# Altium PCB Measure.PcbDoc
Units mil, origin at the board's own origin, x right, y up, seen from the top; angles counter-clockwise.
Board outline 1570 x 1225 mil, 2 copper layers (Top Layer, Bottom Layer), stack 20.956 mil thick; 68 components, 57 nets, 302 pads, 107 vias.
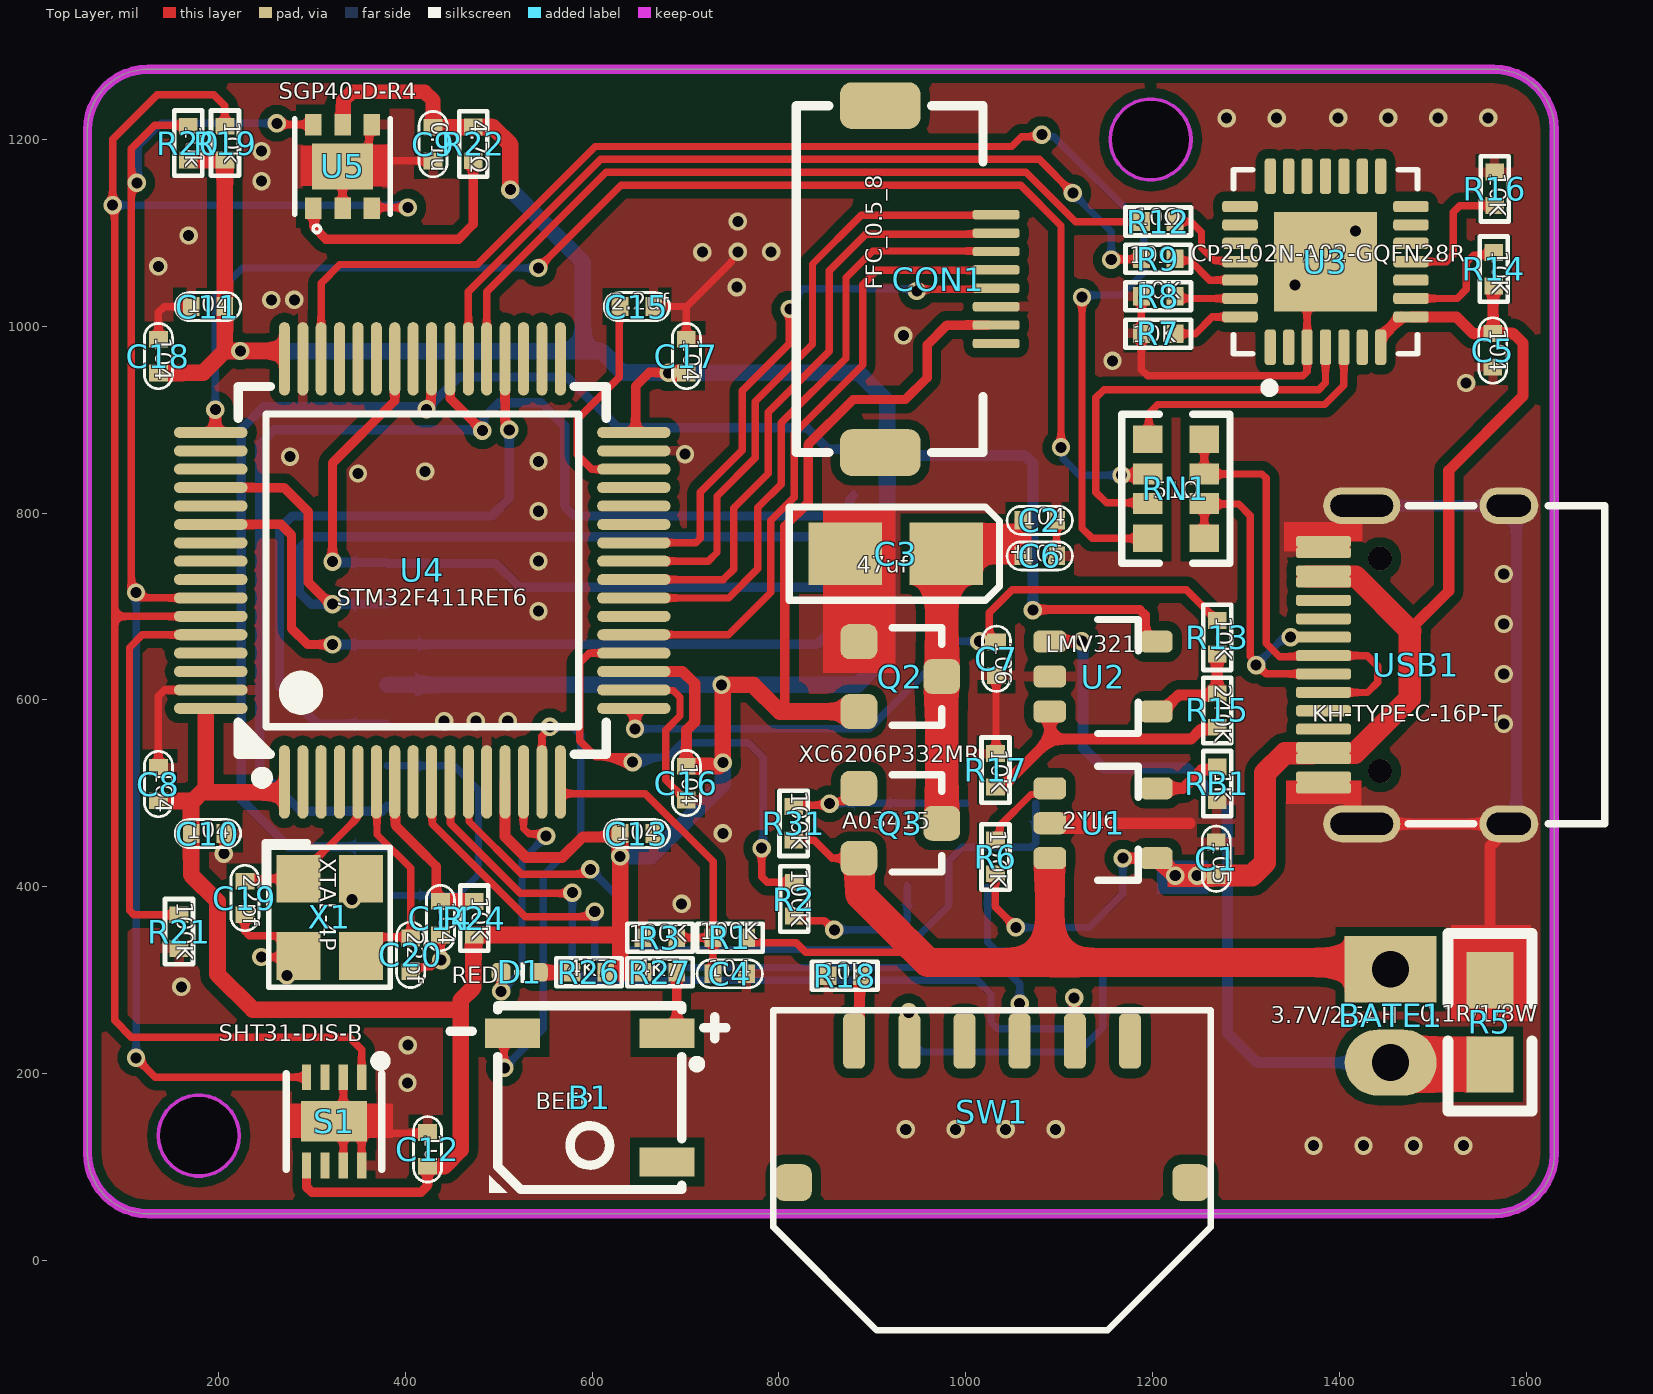
[diagram p0: Top Layer view]
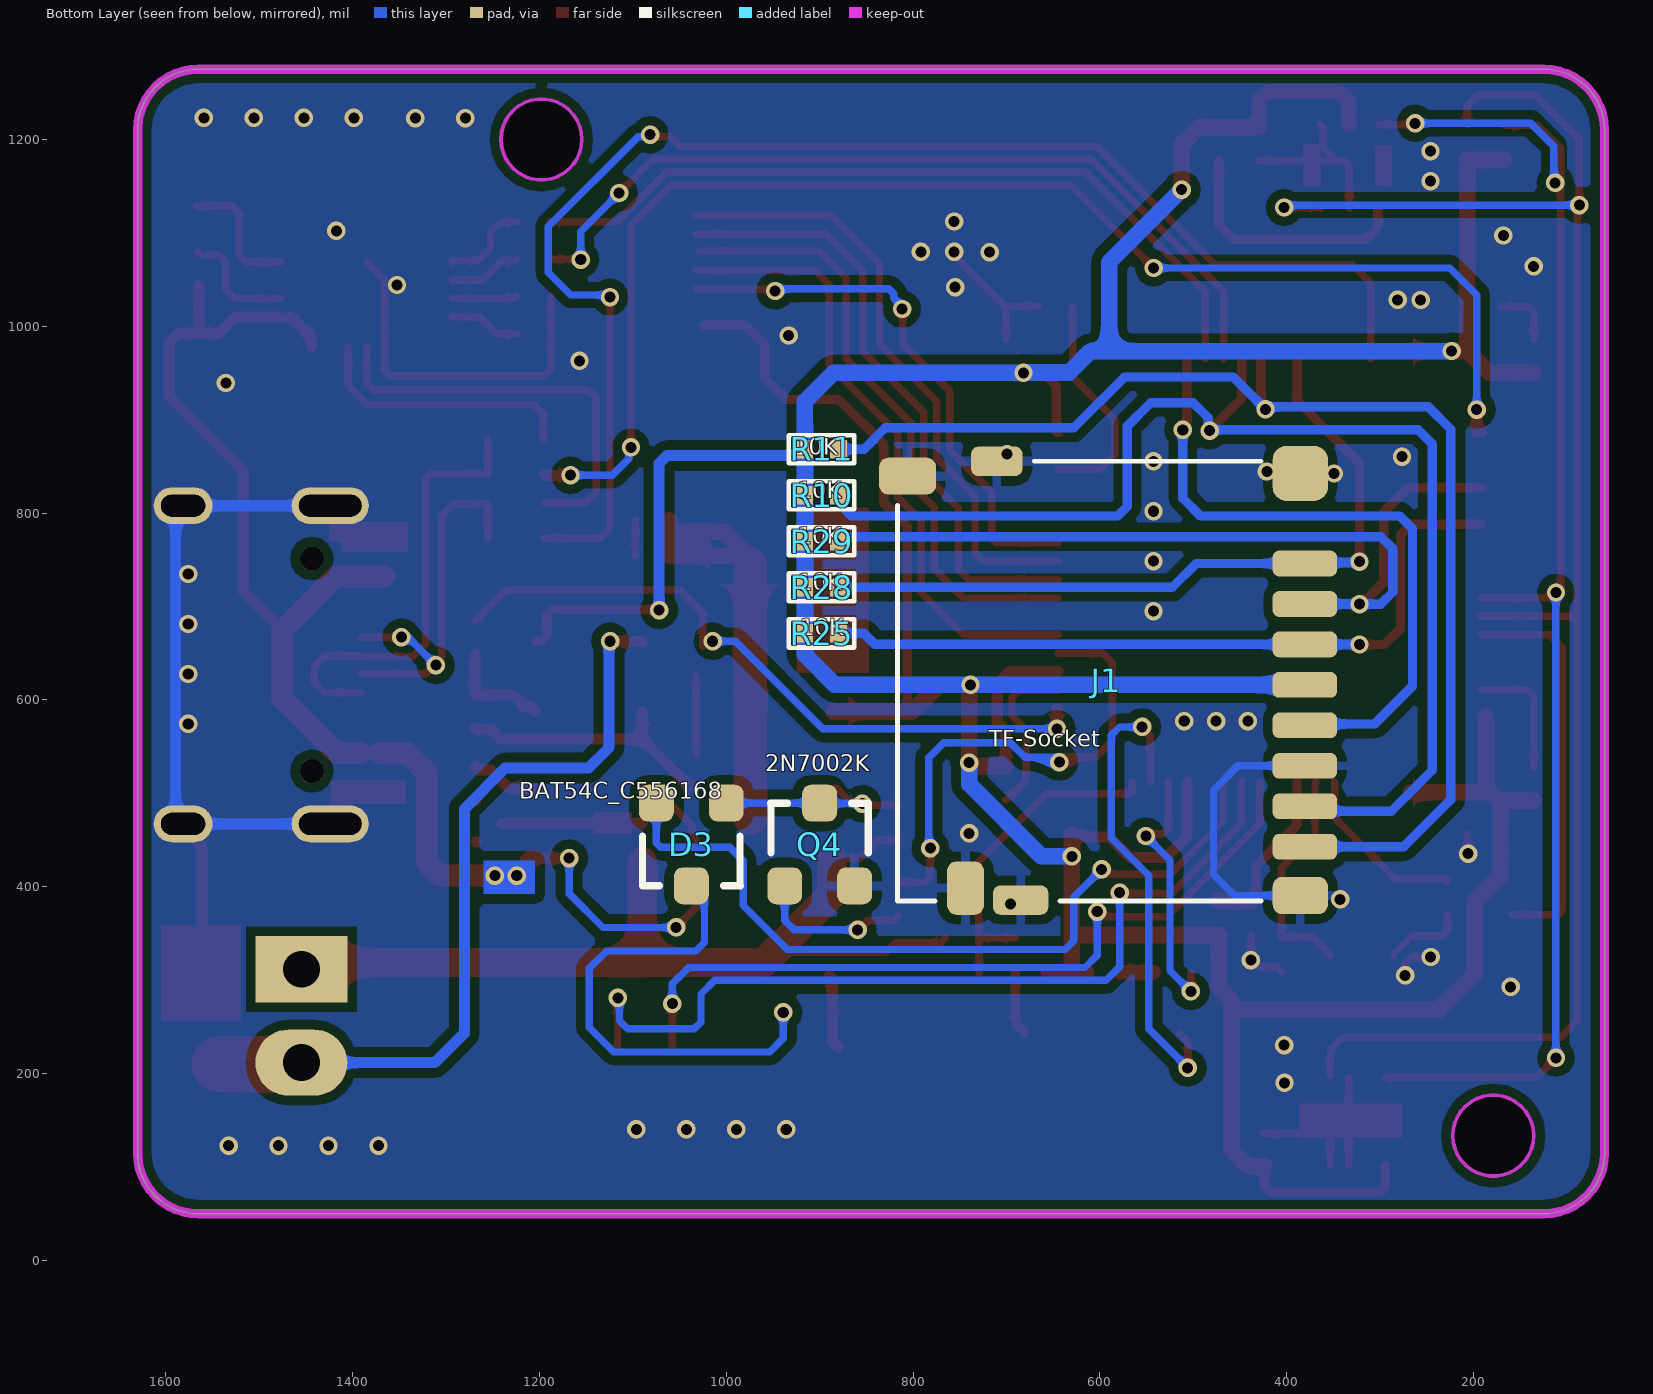
[diagram p1: Bottom Layer view, seen from below]
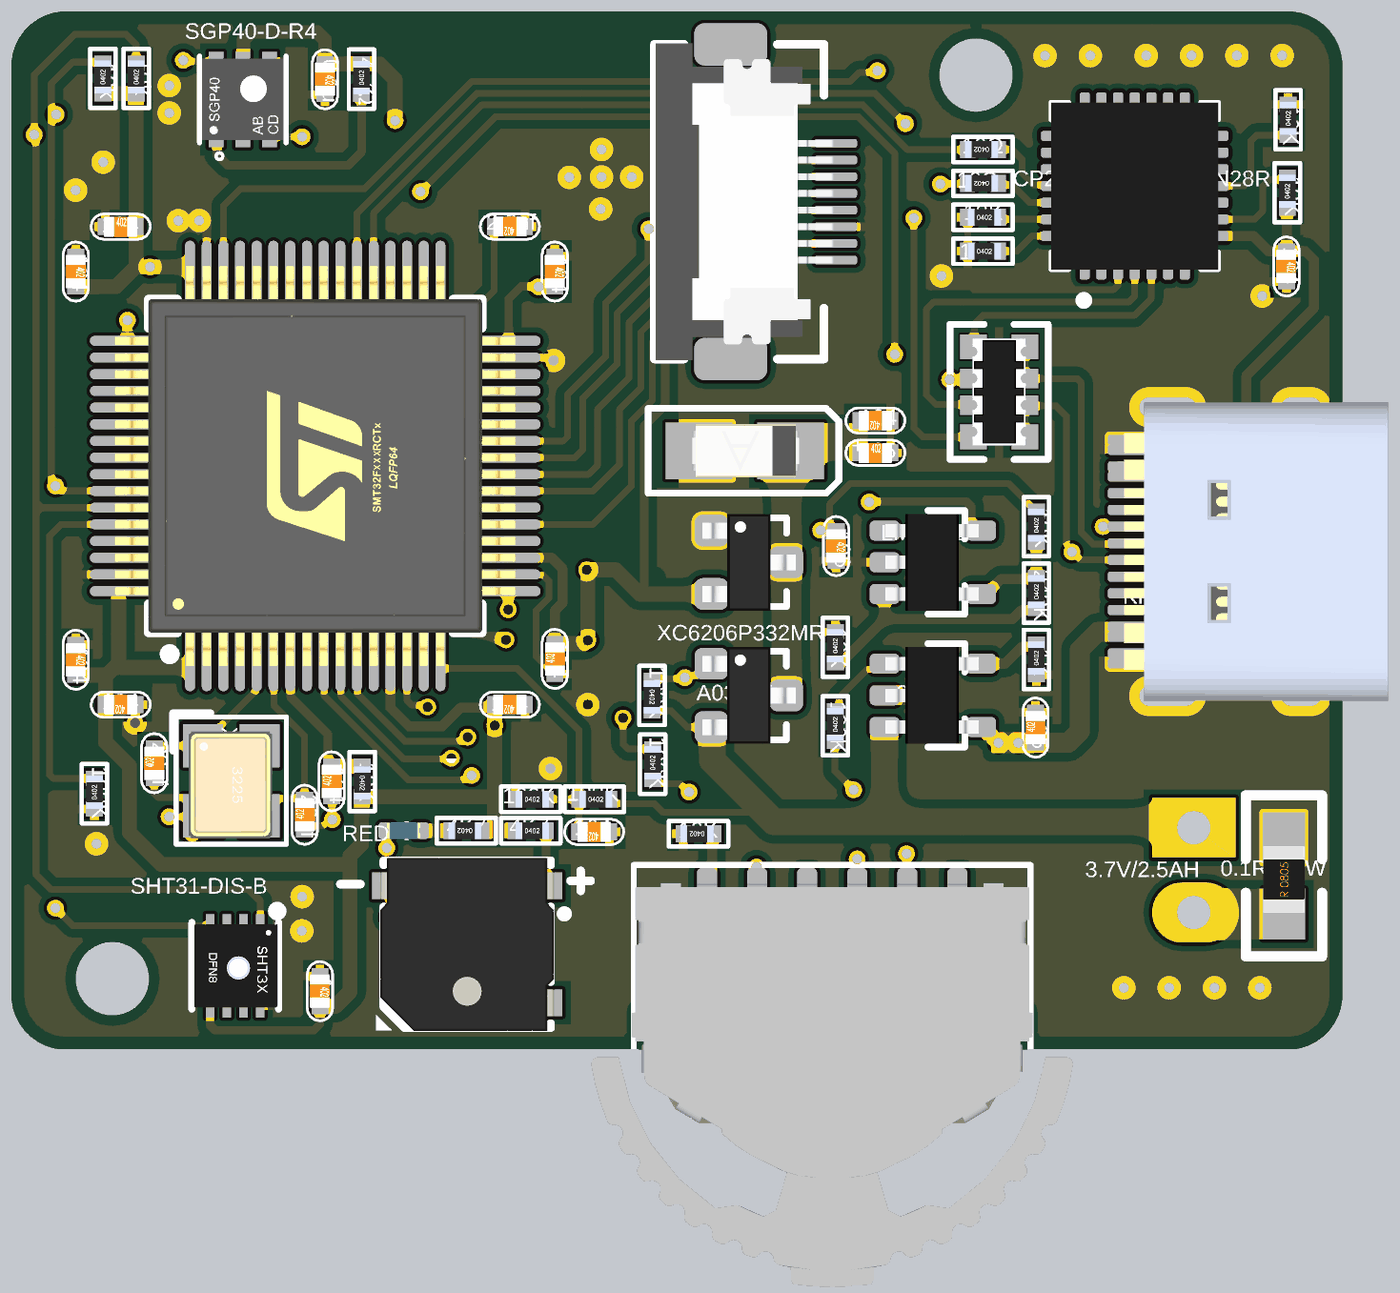
[diagram p2: 3D render of the assembled board from above, using the file's embedded part models]
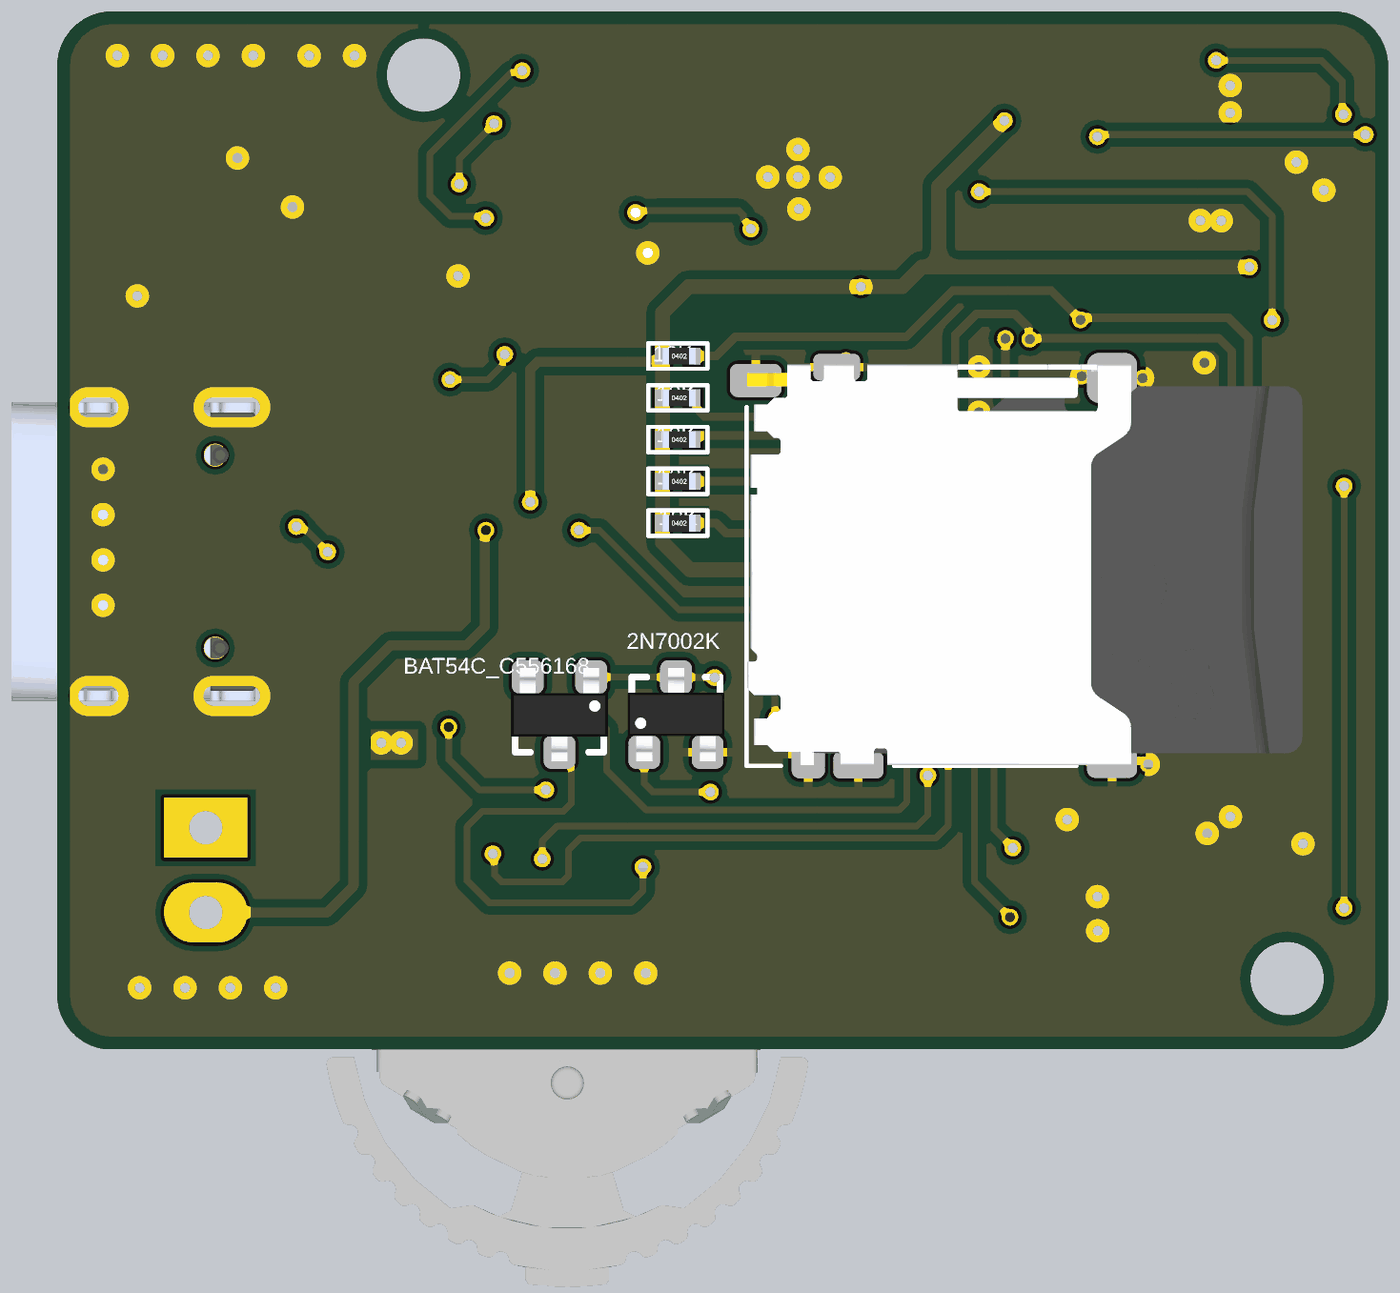
[diagram p3: 3D render of the assembled board from below, using the file's embedded part models]

## Layer stack, top to bottom
Top Solder: solder mask 0.4, Solder Resist, Dk 3.5
Top Layer: signal copper 1.378
Dielectric 2: prepreg 2.8, PP-006, Dk 4.1
Dielectric 1: dielectric 12.6, FR-4, Dk 4.8
Dielectric 3: prepreg 2.8, PP-006, Dk 4.1
Bottom Layer: signal copper 1.378
Bottom Solder: solder mask 0.4, Solder Resist, Dk 3.5

## Board outline
60,115 ccw(c125,115) 125,50 1565,50 ccw(c1565,115) 1630,115 1630,1210 ccw(c1565,1210) 1565,1275 125,1275 ccw(c125,1210) 60,1210
cut-out: 135.83,133.66 ccw(c179.13,133.66) 179.13,90.35 ccw(c179.13,133.66) 222.44,133.66 ccw(c179.13,133.66) 179.13,176.97 ccw(c179.13,133.66)
cut-out: 1154.53,1199.8 ccw(c1197.83,1199.8) 1197.83,1156.5 ccw(c1197.83,1199.8) 1241.14,1199.8 ccw(c1197.83,1199.8) 1197.83,1243.11 ccw(c1197.83,1199.8)

## Design rules (kind name [scope] priority, off if disabled: settings)
Clearance [All] p1: gap=6 ignorepadtopadclearanceinfootprint=FALSE
HoleToHoleClearance [All] p1: gap=0 allowstackedmicrovias=TRUE
MinimumSolderMaskSliver [All] p1: minsoldermaskwidth=0
PolygonConnect [All] p1: thpad.connectstyle=Direct thpad.reliefconductorwidth=10 thpad.reliefentries=4 thpad.polygonreliefangle="90 Angle" thpad.airgapwidth=10 smdpad.connectstyle=Relief smdpad.reliefconductorwidth=10 smdpad.reliefentries=4 smdpad.polygonreliefangle="90 Angle" smdpad.airgapwidth=10 via.connectstyle=Direct via.reliefconductorwidth=10 via.reliefentries=4 via.polygonreliefangle="90 Angle" via.airgapwidth=10
RoutingVias [All] p1: holewidth=28 width=50 viastyle="Through Hole" minholewidth=28 minwidth=50 maxholewidth=28 maxwidth=50
SilkToSilkClearance [All] p1: silktosilkclearance=0
SilkToSolderMaskClearance [IsPad] p1: minsilkscreentomaskgap=0 clearancetoexposedcopper=TRUE
SolderMaskExpansion [All] p1: expansion=4 istentingtop=FALSE
Width [All] p1: maxlimit=100 minlimit=6 preferedwidth=10
26 further rules are at their usual default settings.

## Components (designator, comment, footprint, x,y, rotation, side; value= is the part's Value field where it differs from the comment)
B1 "BEEP" BEEP_SMD5020 597.67,174.39 r180 top
BATE1 "3.7V/2.5AH" XH2/2.54mm/180 1454.72,311.81 r270 top
C1 "105" 0402_C 1268,430 r90 top
C2 "104" 0402_C 1079.13,792.13 r180 top
C3 "47uf" TAJ-A/3216 981.1,756.5 r180 top value=100pF
C4 "104" 0402_C 747.44,306.89 r180 top
C5 "104" 0402_C 1564,974 r270 top
C6 "105" 0402_C 1079.13,754.13 r0 top
C7 "106" 0402_C 1032.87,644.09 r270 top
C8 "104" 0402_C 136,510 r270 top locked
C9 "0.1u" 0402_C 429.92,1194.8 r270 top
C10 "104" 0402_C 189,457 r180 top locked
C11 "104" 0402_C 189,1021 r0 top
C12 "1u" 0402_C 424,119 r270 top
C13 "104" 0402_C 648,457 r180 top locked
C14 "104" 0402_C 437.8,366.54 r90 top
C15 "2.2uf" 0402_C 648,1021 r180 top locked
C16 "104" 0402_C 701,511 r90 top locked
C17 "104" 0402_C 701,968 r270 top locked
C18 "104" 0402_C 136,968 r270 top
C19 "22pf" 0402_C 228.54,387.99 r90 top
C20 "22pf" 0402_C 405.91,327.17 r90 top
CON1 "FFC_0.5_8" FFC_0.5_8 970.47,1050.39 r180 top
D1 "RED" LED_0402_BLUE 522.67,308.39 r180 top
D3 "BAT54C_C556168" SOT23_ 1037.4,445.28 r0 bottom
J1 "TF-Socket" TF_Card 593.32,620.52 r180 bottom
Q2 "XC6206P332MR" SOT23_ 930,625 r270 top
Q3 "A03415" SOT23_ 929.92,467.91 r270 top
Q4 "2N7002K" SOT23_ 900,445.28 r180 bottom
R1 "100K" 0402_R 747.64,345.47 r0 top
R2 "100K" 0402_R 816.34,386.81 r90 top
R3 "100K" 0402_R 672.67,345.47 r0 top
R5 "0.1R/1/8W" 0805R 1561,210 r90 top
R6 "100K" 0402_R 1031.87,432 r90 top
R7 "10K" 0402_R 1206,992 r0 top
R8 "10K" 0402_R 1206,1032 r0 top
R9 "10Ω" 0402_R 1206,1072 r180 top
R10 "10K" 0402_R 897.93,819.02 r180 bottom value=22R
R11 "10K" 0402_R 897.93,868.31 r180 bottom value=22R
R12 "10Ω" 0402_R 1206,1112 r180 top
R13 "10K" 0402_R 1269,667 r90 top
R14 "10K" 0402_R 1565,1061 r90 top value=4.7K
R15 "240K" 0402_R 1269,588.67 r90 top
R16 "10K" 0402_R 1566,1147 r90 top
R17 "10K" 0402_R 1031.87,524.8 r90 top
R18 "10K" 0402_R 870.47,304.72 r180 top
R19 "10k" 0402_R 207.28,1195.87 r90 top
R20 "10k" 0402_R 167.91,1195.87 r90 top
R21 "100K" 0402_R 158,352 r90 top
R22 "4.7Ω" 0402_R 473,1195 r90 top
R24 "10K" 0402_R 473.91,366.39 r270 top
R25 "10K" 0402_R 897.93,671.18 r180 bottom value=22R
R26 "4K7" 0402_R 596.67,308.39 r180 top
R27 "4K7" 0402_R 672.67,308.39 r0 top
R28 "10K" 0402_R 897.93,720.46 r180 bottom value=22R
R29 "10K" 0402_R 897.93,769.74 r180 bottom value=22R
R31 "100K" 0402_R 815.75,467.91 r270 top
RB1 "1K" 0402_R 1269,510.33 r90 top value=3.3K
RN1 "51Ω" 0603R*4_r 1225,826 r90 top
S1 "SHT31-DIS-B" DFN8-P0.50 324,149 r180 top
SW1 "TM-2103" WHEEL_SWITCH 1028.15,234.84 r180 top
U1 "2YL6" SOT23-5_S 1147,468 r180 top
U2 "LMV321" SOT23-5_S 1147,625 r180 top
U3 "CP2102N-A02-GQFN28R" QFN28 1385,1069 r0 top
U4 "STM32F411RET6" LQFP-64_L10.0-W10.0-P0.50-LS12.0-BL 418.42,738.63 r0 top locked
U5 "SGP40-D-R4" DFN-6_L2.4-W2.4-P0.80-TL-EP 333,1171 r90 top
USB1 "KH-TYPE-C-16P-T" TYPE-C-16P-T 1482.09,637.6 r0 top locked
X1 "XTAL-4P" "OSC 3225-4P" 319.29,367.32 r270 top

## Footprints (in the part's own frame and the unit in brackets; to place one, negate y for a bottom-side part, rotate by r counter-clockwise, add the part's x,y. Pads: shape width x height; smd on the part's side, far side on the other; paste and mask are expansions set on the pad)
0402_C [mil]
  rect 18x20 smd: 1(-18,0) 2(18,0)
  silkscreen extent -35,-15 35,15, body extent -20,-12 20,12, height 8
0402_R [mil]
  rect 18x20 smd: 1(-18,0) 2(18,0)
  silkscreen extent -35,-15 35,15, body extent -18,-10 21,10, height 13
0603R*4_r [mm]
  rect 0.75x0.8 smd mask+0.051: 1(1.35,-0.77) 4(-1.35,-0.77) 5(-1.35,0.77) 8(1.35,0.77)
  rect 0.58x0.8 smd mask+0.051: 2(0.4,-0.77) 3(-0.4,-0.77) 6(-0.4,0.77) 7(0.4,0.77)
  silkscreen extent -2.02,-1.47 2.03,1.47, body extent -1.6,-0.8 1.6,0.8, height 0.55
0805R [mil]
  rect 60x50 smd: 1(0,0) 2(90,0)
  silkscreen extent -50,-45 140,45, body extent 1,-25 80,25, height 15
BEEP_SMD5020 [mm]
  rect 1.5x0.8 smd: 1(-2.1,-1.75) 2(2.1,-1.75) 3(-2.1,1.75)
  silkscreen extent -3.7,-2.5 3.8,2.58, body extent -2.6,-2.6 2.6,2.6, height 2
DFN8-P0.50 [mm]
  rect 0.25x0.7 smd: 1(-0.75,-1.2) 2(-0.25,-1.2) 3(0.25,-1.2) 4(0.75,-1.2) 5(0.75,1.2) 6(0.25,1.2) 7(-0.25,1.2) 8(-0.75,1.2)
  rect 1.8x1.1 smd: 9(0,0)
  silkscreen extent -1.39,-1.77 1.3,1.3, body extent -1.28,-1.25 1.23,1.25, height 0.9
DFN-6_L2.4-W2.4-P0.80-TL-EP [mm]
  rect 0.585x0.448 smd: 1(-1.137,0.8) 2(-1.137,0) 3(-1.137,-0.8) 4(1.137,-0.8) 5(1.137,0) 6(1.137,0.8)
  rect 1.25x1.65 smd: 7(0,0)
  silkscreen extent -1.8,-1.3 1.3,1.3, body extent -1.22,-1.22 1.22,1.22, height 0.85
FFC_0.5_8 [mil]
  rrect50% 86x50 smd: 0(62,185.63) 0(62,-185.63)
  rrect50% 50x10 smd: 1(-62,-68.9) 2(-62,-49.21) 3(-62,-29.53) 4(-62,-9.84) 5(-62,9.84) 6(-62,29.53) 7(-62,49.21) 8(-62,68.9)
  silkscreen extent -48,-186 152,186, body extent -60,-187 151,187, height 82
LED_0402_BLUE [mil]
  rrect50% 20x20 smd: 1(-20,0) 2(20,0)
  silkscreen extent -6,-10 6,10, body extent -20,-10 20,10, height 18
LQFP-64_L10.0-W10.0-P0.50-LS12.0-BL [mm]
  oval 0.3x2 smd: 1(-3.75,-5.75) 2(-3.25,-5.75) 3(-2.75,-5.75) 4(-2.25,-5.75) 5(-1.75,-5.75) 6(-1.25,-5.75) 7(-0.75,-5.75) 8(-0.25,-5.75) 9(0.25,-5.75) 10(0.75,-5.75) 11(1.25,-5.75) 12(1.75,-5.75) 13(2.25,-5.75) 14(2.75,-5.75) 15(3.25,-5.75) 16(3.75,-5.75) 33(3.75,5.75) 34(3.25,5.75) 35(2.75,5.75) 36(2.25,5.75) 37(1.75,5.75) 38(1.25,5.75) 39(0.75,5.75) 40(0.25,5.75) 41(-0.25,5.75) 42(-0.75,5.75) 43(-1.25,5.75) 44(-1.75,5.75) 45(-2.25,5.75) 46(-2.75,5.75) 47(-3.25,5.75) 48(-3.75,5.75)
  oval 2x0.3 smd: 17(5.75,-3.75) 18(5.75,-3.25) 19(5.75,-2.75) 20(5.75,-2.25) 21(5.75,-1.75) 22(5.75,-1.25) 23(5.75,-0.75) 24(5.75,-0.25) 25(5.75,0.25) 26(5.75,0.75) 27(5.75,1.25) 28(5.75,1.75) 29(5.75,2.25) 30(5.75,2.75) 31(5.75,3.25) 32(5.75,3.75) 49(-5.75,3.75) 50(-5.75,3.25) 51(-5.75,2.75) 52(-5.75,2.25) 53(-5.75,1.75) 54(-5.75,1.25) 55(-5.75,0.75) 56(-5.75,0.25) 57(-5.75,-0.25) 58(-5.75,-0.75) 59(-5.75,-1.25) 60(-5.75,-1.75) 61(-5.75,-2.25) 62(-5.75,-2.75) 63(-5.75,-3.25) 64(-5.75,-3.75)